# Altium PCB PCB1.PcbDoc
Units mil, origin at the board's own origin, x right, y up, seen from the top; angles counter-clockwise.
Board outline 6000 x 4000 mil, 2 copper layers (Top Layer, Bottom Layer); 2 components, 0 nets, 58 pads, 0 vias.
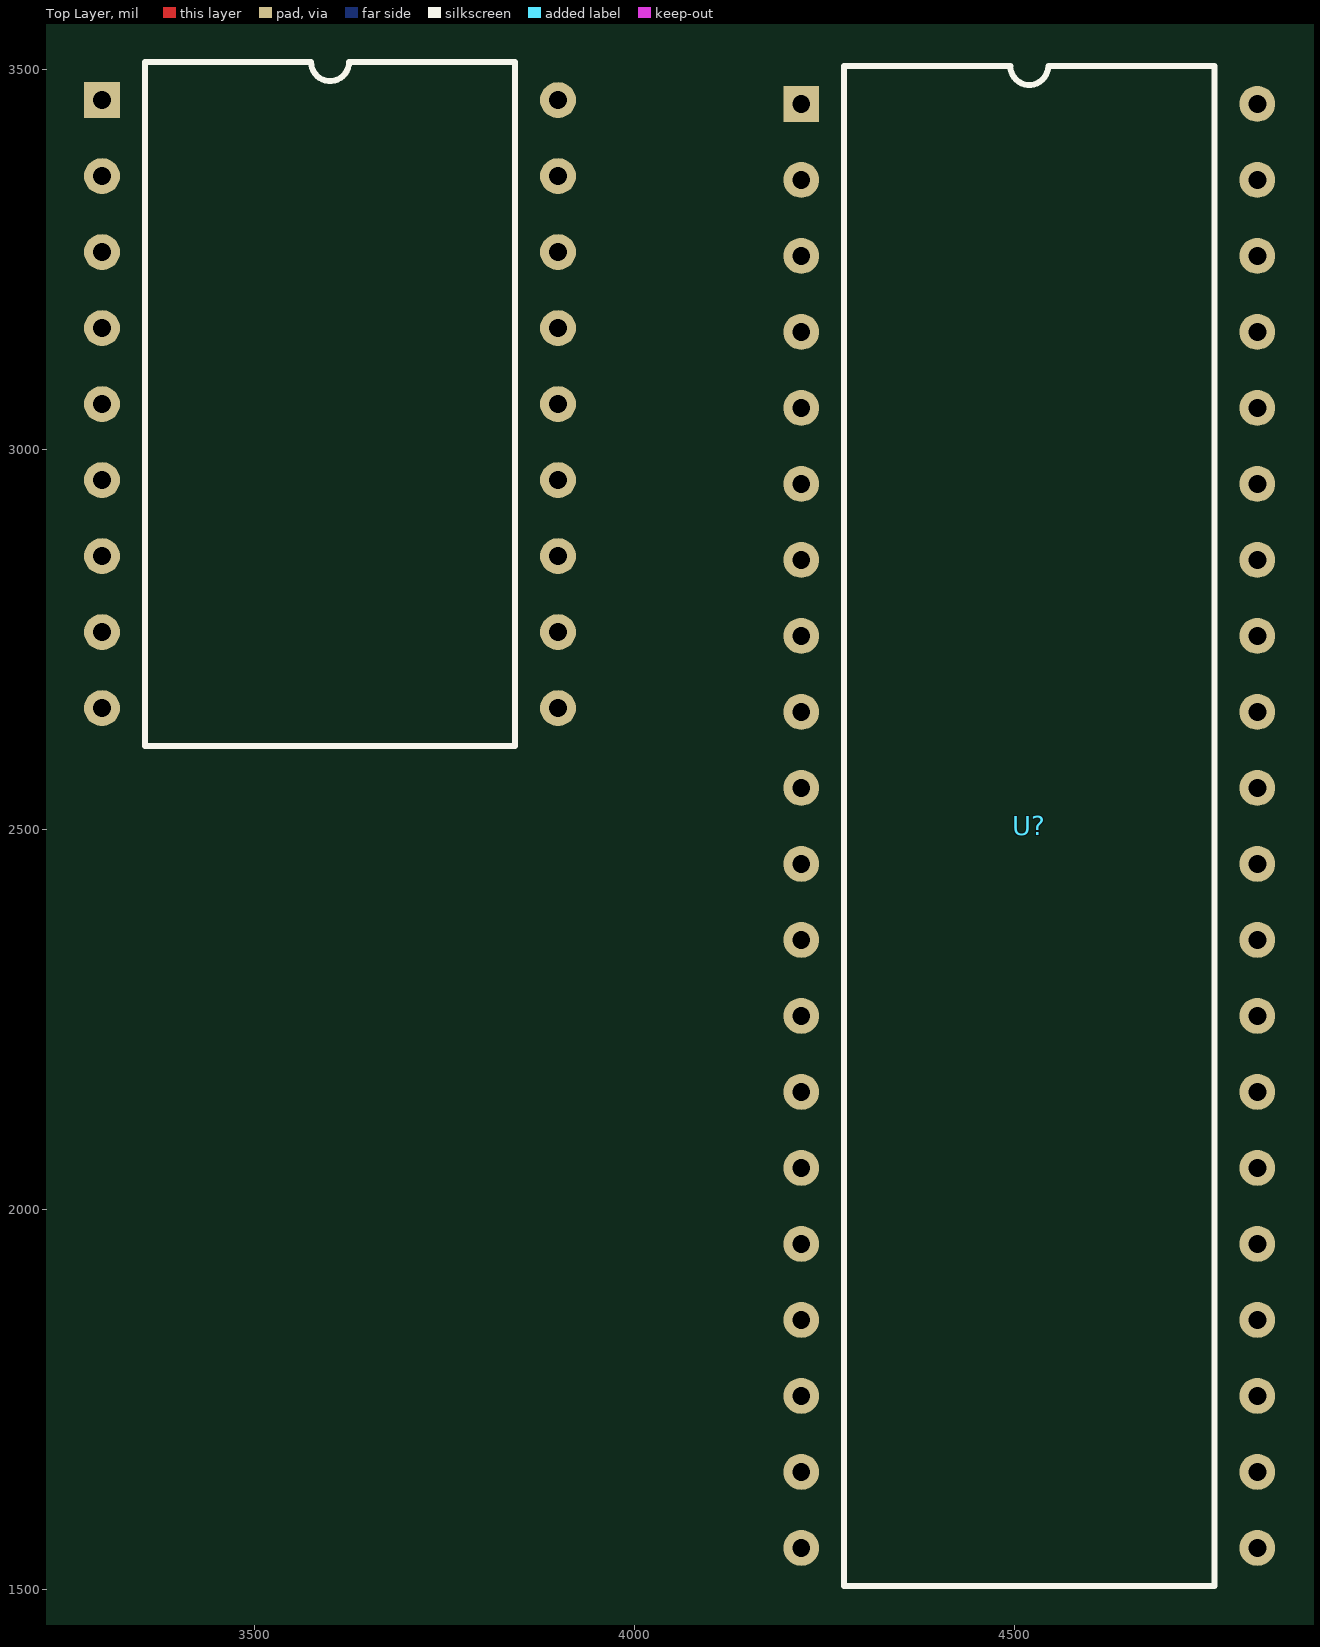
[diagram p0: Top Layer view]
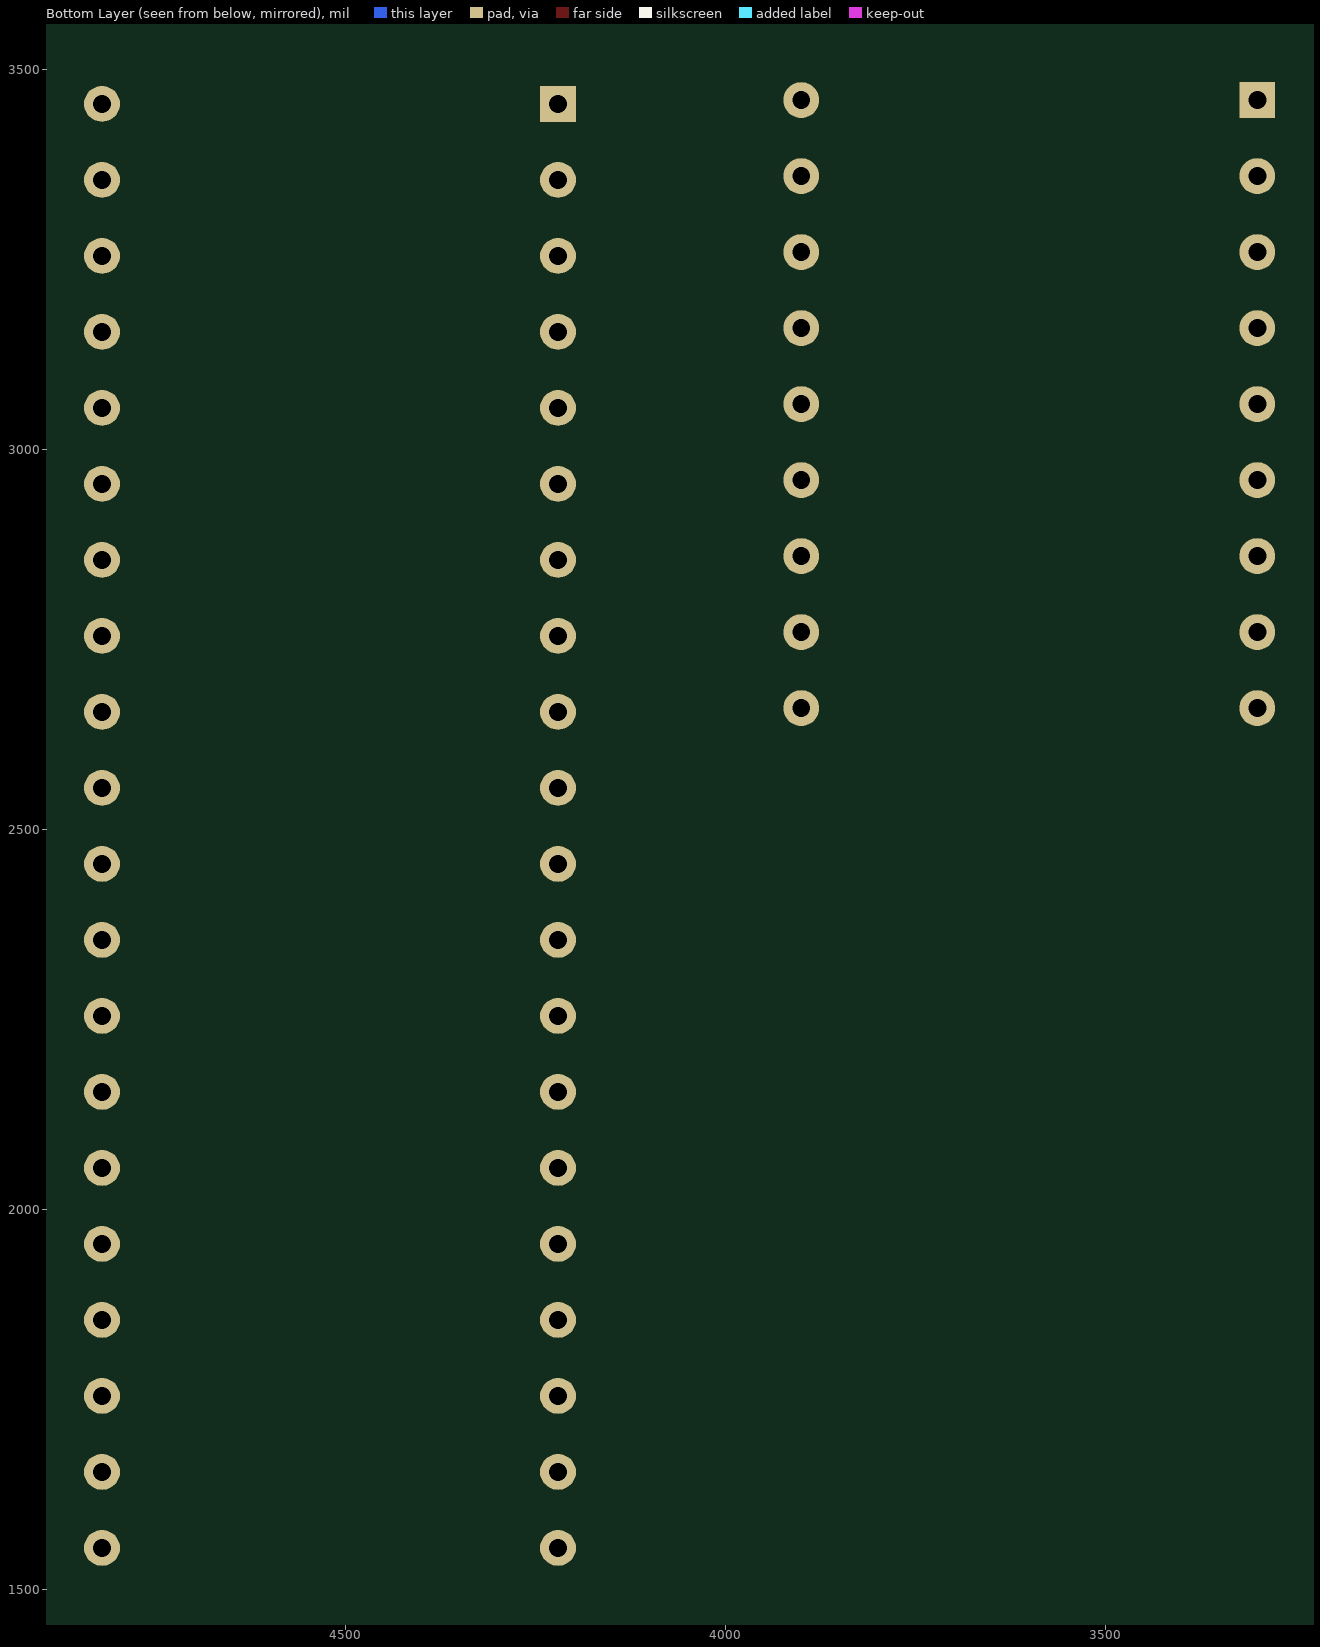
[diagram p1: Bottom Layer view, seen from below]

## Layer stack, top to bottom
Top Solder: solder mask 0.4, Solder Resist, Dk 3.5
Top Layer: signal copper 1.4
Dielectric 1: dielectric 12.6, FR-4, Dk 4.8
Bottom Layer: signal copper 1.4
Bottom Solder: solder mask 0.4, Solder Resist, Dk 3.5

## Board outline
1000,1000 7000,1000 7000,5000 1000,5000

## Design rules (kind name [scope] priority, off if disabled: settings)
Clearance [All] p1: gap=10 ignorepadtopadclearanceinfootprint=FALSE except(0: Arc-Hole Track-Hole SMDPad-Hole THPad-Hole Via-Hole Fill-Hole Poly-Hole Region-Hole Text-Hole)
PolygonConnect [All] p1: connectstyle=Relief reliefconductorwidth=10 reliefentries=4 polygonreliefangle="90 Angle" airgapwidth=10
RoutingVias [All] p1: holewidth=28 width=50 viastyle="Through Hole" minholewidth=28 minwidth=50 maxholewidth=28 maxwidth=50
SolderMaskExpansion [All] p1: expansion=4 istentingtop=FALSE
Width [All] p1: maxlimit=10 minlimit=10 preferedwidth=10
30 further rules are at their usual default settings.

## Components (designator, comment, footprint, x,y, rotation, side; value= is the part's Value field where it differs from the comment)
* "FTDI module" "FTDI module" 3300,3460 r0 top
U? "Blue Pill" "Blue Pill" 4220,3455 r0 top

## Footprints (in the part's own frame and the unit in brackets; to place one, negate y for a bottom-side part, rotate by r counter-clockwise, add the part's x,y. Pads: shape width x height; smd on the part's side, far side on the other; paste and mask are expansions set on the pad)
"Blue Pill" [mm]
  round 1.2 hole 0.6: 3.3(0,-48.26) 3.3(15.24,-5.08) 5V(0,-43.18) A0(15.24,-38.1) A1(15.24,-35.56) A2(15.24,-33.02) A3(15.24,-30.48) A4(15.24,-27.94) A5(15.24,-25.4) A6(15.24,-22.86) A7(15.24,-20.32) A8(0,-10.16) A9(0,-12.7) A10(0,-15.24) A11(0,-17.78) A12(0,-20.32) A15(0,-22.86) B0(15.24,-17.78) B1(15.24,-15.24) B3(0,-25.4) B4(0,-27.94) B5(0,-30.48) B6(0,-33.02) B7(0,-35.56) B8(0,-38.1) B9(0,-40.64) B10(15.24,-12.7) B11(15.24,-10.16) B13(0,-2.54) B14(0,-5.08) B15(0,-7.62) C13(15.24,-45.72) C14(15.24,-43.18) C15(15.24,-40.64) G(0,-45.72) G(15.24,-2.54) G(15.24,0) R(15.24,-7.62) VB(15.24,-48.26)
  rect 1.2x1.2 hole 0.6: B12(0,0)
  silkscreen extent 1.43,-49.53 13.81,1.27, body extent -3.68,-50.64 18.92,2.36, height 11.1
"FTDI module" [mm]
  round 1.2 hole 0.6: 3.3V(0,-10.16) 5V(0,-12.7) CTS(0,-7.62) DCD(15.24,0) DTR(15.24,-17.78) ENTEN(0,-2.54) GND(0,-20.32) GND(15.24,-5.08) R1(15.24,-7.62) RSD(15.24,-2.54) RTS(15.24,-15.24) RXD(15.24,-10.16) RXL(0,-15.24) SLEEP(0,-5.08) TXD(15.24,-20.32) TXL(0,-17.78) VCC(15.24,-12.7)
  rect 1.2x1.2 hole 0.6: PWR(0,0)
  silkscreen extent 1.43,-21.59 13.81,1.27, body extent -1.36,-22.5 16.51,1.92, height 4.77

## Nets (pads, with @x,y where several pads share a name; then routed paths per layer and width w, separated by ;. In a path a pad name is that pad's centre, name@x,y a point inside that pad or via, vN(x,y) a via of type N, cw(c..) or ccw(c..) an arc to the next point about the centre after c; other vN are vias at no path point)
pads on no net: *.3.3V *.5V *.CTS *.DCD *.DTR *.ENTEN *.GND *.PWR *.R1 *.RSD *.RTS *.RXD *.RXL *.SLEEP *.TXD *.TXL *.VCC U?.3.3 U?.5V U?.A0 U?.A1 U?.A2 U?.A3 U?.A4 U?.A5 U?.A6 U?.A7 U?.A8 U?.A9 U?.A10 U?.A11 U?.A12 U?.A15 U?.B0 U?.B1 U?.B3 U?.B4 U?.B5 U?.B6 U?.B7 U?.B8 U?.B9 U?.B10 U?.B11 U?.B12 U?.B13 U?.B14 U?.B15 U?.C13 U?.C14 U?.C15 U?.G U?.R U?.VB